# Altium PCB PCB1.PcbDoc (part 1 of 2) (continued)
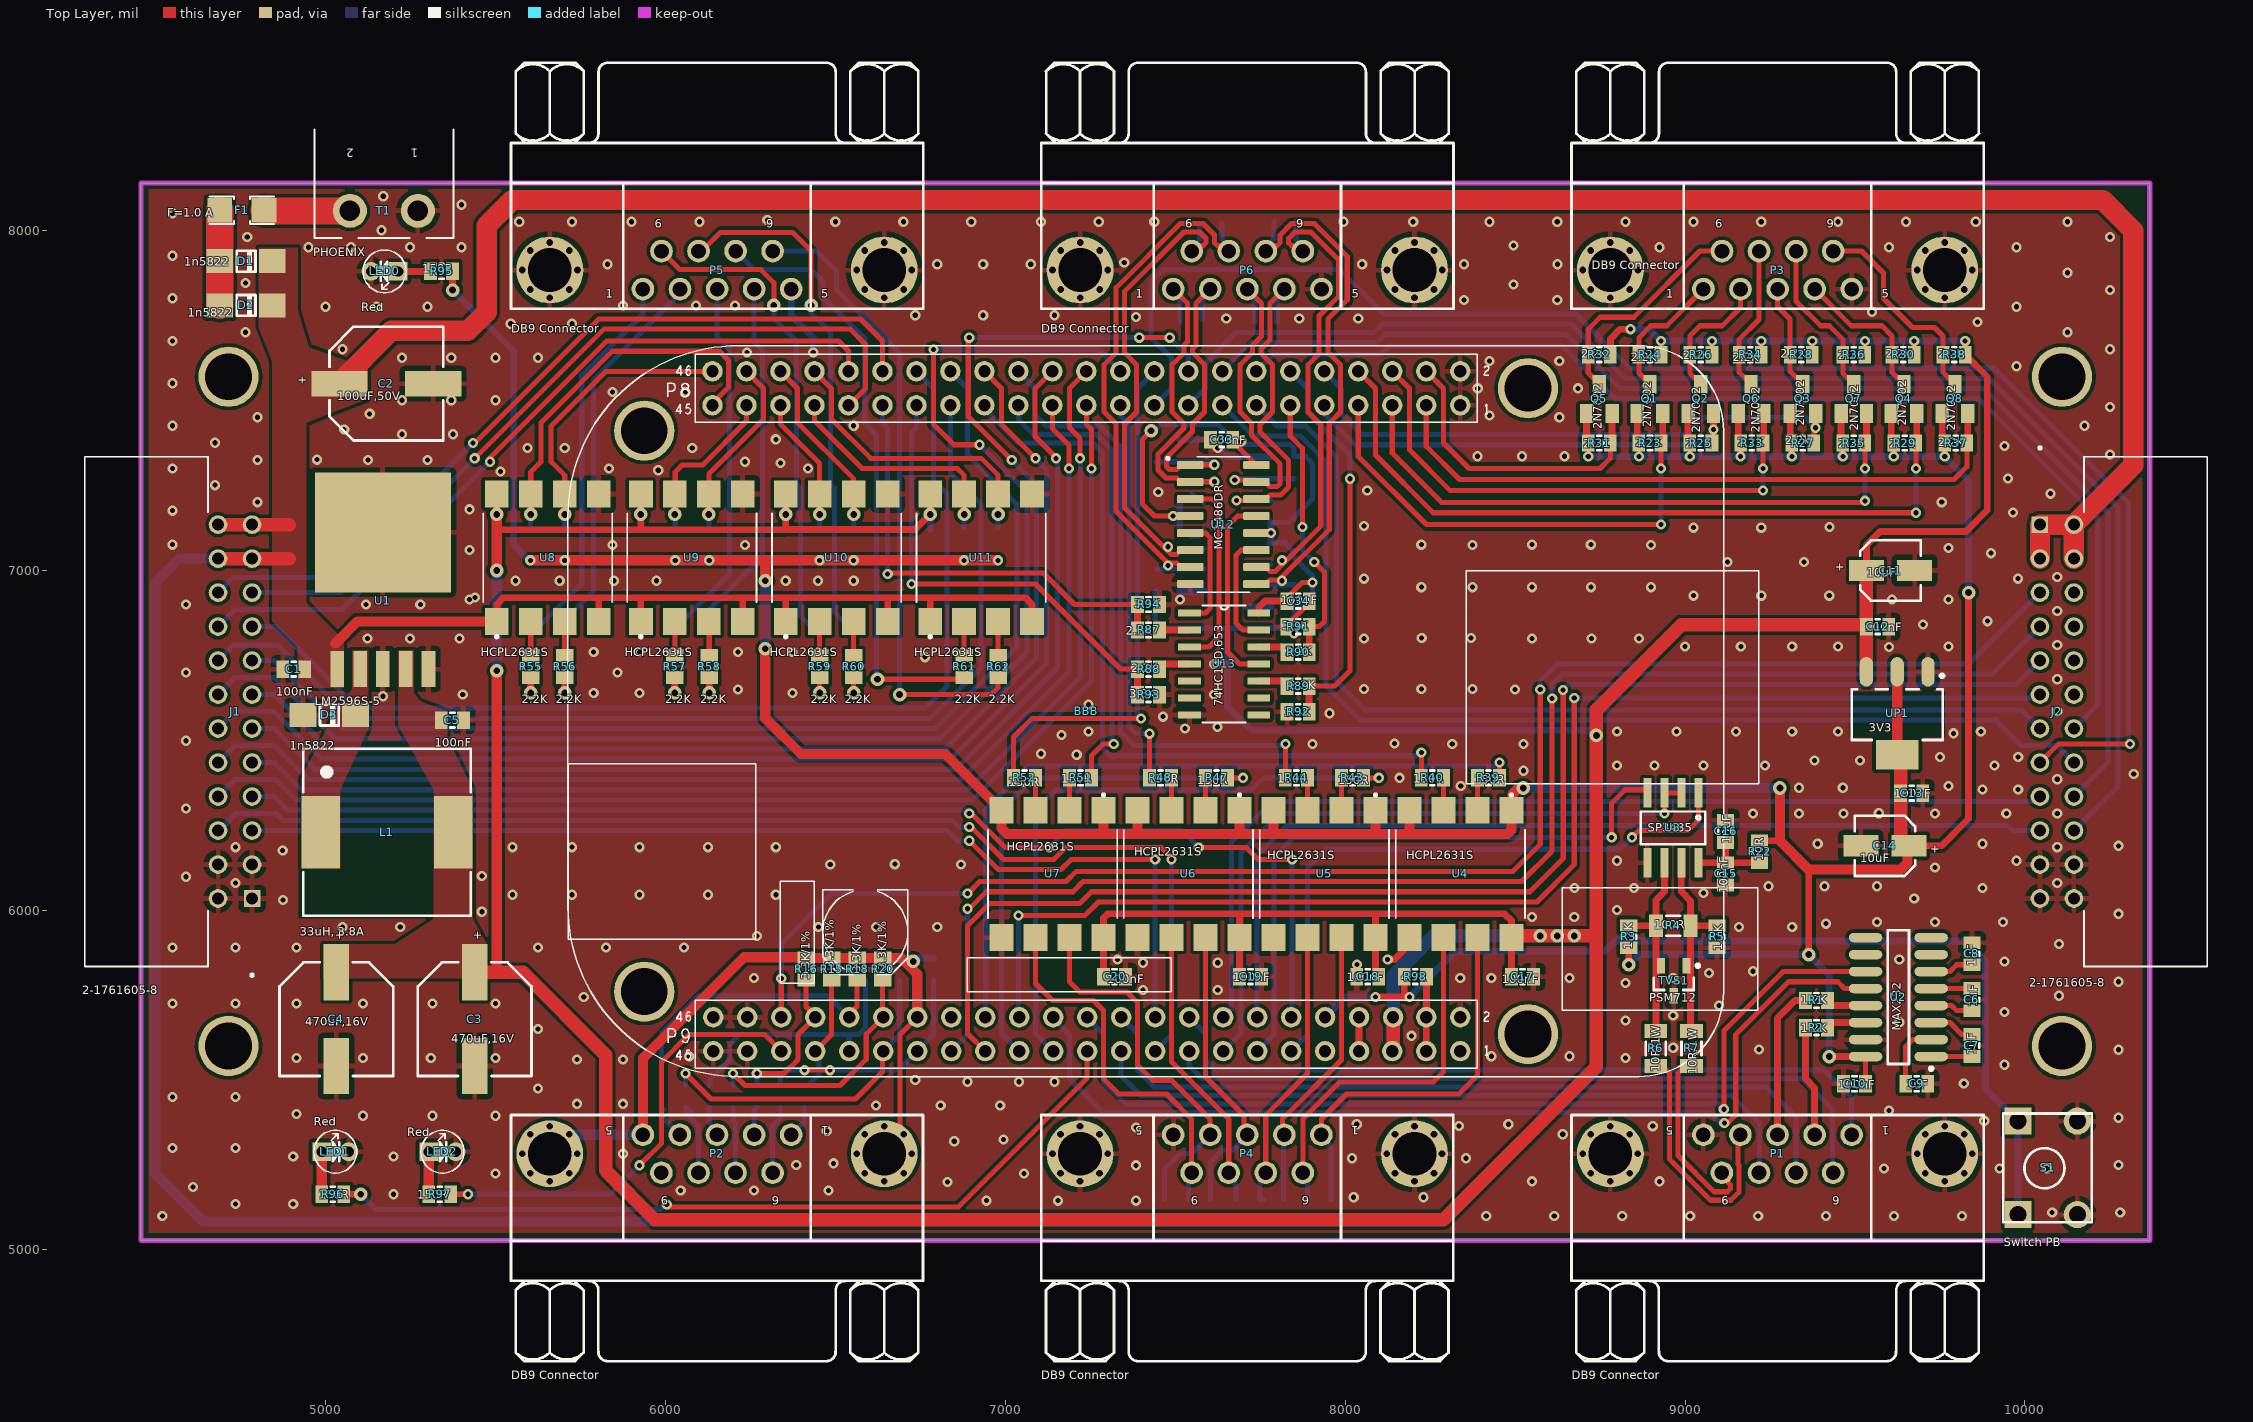
[diagram p0: Top Layer view]
## Footprints (in the part's own frame and the unit in brackets; to place one, negate y for a bottom-side part, rotate by r counter-clockwise, add the part's x,y. Pads: shape width x height; smd on the part's side, far side on the other; paste and mask are expansions set on the pad)
"1206 FUSE" [mm] "Fast Acting Smd 1206 non-Resettable Fuse Chip For Pcb Board-Design:Abbas Basereh"
  rect 1.85x1.85 smd: 1(-1.65,0) 2(1.65,0)
  silkscreen extent -2.41,-1.02 2.41,1.02, body extent -1.6,-0.8 1.6,0.8, height 1
*SO08 [mil]
  rect 24x87 smd: 1(-75,-103) 2(-25,-103) 3(25,-103) 4(75,-103) 5(75,103) 6(25,103) 7(-25,103) 8(-75,103)
  silkscreen extent -95,-48 95,48, body extent -96,-118 97,118, height 67
*SOT23 [mm]
  rect 1x1.4 smd: 1(-0.95,-1.1) 2(0.95,-1.1) 3(0,1.1)
  body extent -1.45,-1.43 1.45,1.17, height 1
*TO170P1435X465-6N [mil]
  rect 40x106 smd: 1(-134,-396) 2(-67,-396) 3(0,-396) 4(67,-396) 5(134,-396)
  rect 400x352 smd: 6(0,6)
  body extent -200,-395 200,170, height 183
BeagleBoneBlack [mil]
  round 60 hole 36: 8_1(747.5,850) 8_2(747.5,950) 8_3(647.5,850) 8_4(647.5,950) 8_5(547.5,850) 8_6(547.5,950) 8_7(447.5,850) 8_8(447.5,950) 8_9(347.5,850) 8_10(347.5,950) 8_11(247.5,850) 8_12(247.5,950) 8_13(147.5,850) 8_14(147.5,950) 8_15(47.5,850) 8_16(47.5,950) 8_17(-52.5,850) 8_18(-52.5,950) 8_19(-152.5,850) 8_20(-152.5,950) 8_21(-252.5,850) 8_22(-252.5,950) 8_23(-352.5,850) 8_24(-352.5,950) 8_25(-452.5,850) 8_26(-452.5,950) 8_27(-552.5,850) 8_28(-552.5,950) 8_29(-652.5,850) 8_30(-652.5,950) 8_31(-752.5,850) 8_32(-752.5,950) 8_33(-852.5,850) 8_34(-852.5,950) 8_35(-952.5,850) 8_36(-952.5,950) 8_37(-1052.5,850) 8_38(-1052.5,950) 8_39(-1152.5,850) 8_40(-1152.5,950) 8_41(-1252.5,850) 8_42(-1252.5,950) 8_43(-1352.5,850) 8_44(-1352.5,950) 8_45(-1452.5,850) 8_46(-1452.5,950) 9_1(747.5,-1050) 9_2(747.5,-950) 9_3(647.5,-1050) 9_4(647.5,-950) 9_5(547.5,-1050) 9_6(550,-950) 9_7(450,-1050) 9_8(450,-950) 9_9(350,-1050) 9_10(350,-950) 9_11(250,-1050) 9_12(250,-950) 9_13(150,-1050) 9_14(150,-950) 9_15(50,-1050) 9_16(50,-950) 9_17(-50,-1050) 9_18(-50,-950) 9_19(-150,-1050) 9_20(-150,-950) 9_21(-250,-1050) 9_22(-250,-950) 9_23(-350,-1050) 9_24(-350,-950) 9_25(-450,-1050) 9_26(-450,-950) 9_27(-550,-1050) 9_28(-550,-950) 9_29(-650,-1050) 9_30(-650,-950) 9_31(-750,-1050) 9_32(-750,-950) 9_33(-850,-1050) 9_34(-850,-950) 9_35(-950,-1050) 9_36(-950,-950) 9_37(-1050,-1050) 9_38(-1050,-950) 9_39(-1150,-1050) 9_40(-1150,-950) 9_41(-1250,-1050) 9_42(-1250,-950) 9_43(-1350,-1050) 9_44(-1350,-950) 9_45(-1450,-1050) 9_46(-1450,-950)
  round 177.17 hole 137.8: H1(947,-1000) H2(947,900) H3(-1653,775) H4(-1653,-875)
  silkscreen extent -1878,-1125 1625,1025, body extent -1502,-1100 800,1000, height 350
"DB9 Female" [mm] "Connector; D Subminiature AMPLIMITE 2000; 9 Position; Right Angle"
  round 1.69 hole 1.09: 1(0,0) 2(2.77,0) 3(5.54,0) 4(8.31,0) 5(11.08,0) 6(1.385,2.84) 7(4.155,2.84) 8(6.925,2.84) 9(9.695,2.84)
  round 0.8 hole 0.5 mask+0.102: 10(-9.015,1.42) 10(-8.412,-0.037) 10(-8.412,2.877) 10(-6.955,-0.64) 10(-6.955,3.48) 10(-5.498,-0.037) 10(-5.498,2.877) 10(-4.895,1.42) 11(15.975,1.42) 11(16.578,-0.037) 11(16.578,2.877) 11(18.035,-0.64) 11(18.035,3.48) 11(19.492,-0.037) 11(19.492,2.877) 11(20.095,1.42)
  round 5 hole 3.26 mask+0.102: 10(-6.955,1.42) 11(18.035,1.42)
  silkscreen extent -9.86,-1.48 20.94,16.92, body extent -9.87,-2.03 20.95,17.04, height 12.71
"Diode 1N4007 SMD" [mm] "DO-214AC 1N4001-4007"
  rect 2x1.8 smd: 1(0,0) 2(3.92,0)
  silkscreen extent 1.27,-0.81 2.67,0.83, body extent -0.54,-1.36 4.46,1.34, height 2.16
LED-3mm [mil]
  rect 55x55 hole 30: 1(-40,0)
  round 55 hole 30: 2(40,0)
  silkscreen extent -63,-63 63,63, body extent -69,-69 69,69, height 154
"MSTB 2,5/2-G-5,08" [mil] "Header, Nominal current: 12 A Rated voltage (III/2): 320 V Number of positions: 2 Pitch: 5.08 mm Color: green Contact surface: Tin Assembly: Soldering DESIGNER:ABBAS BASEREH"
  round 100 hole 60: 1(-100,0) 2(100,0)
  silkscreen extent -205,-240 205,80, body extent -199,-394 201,79, height 340
NSO16_M [mm] "SOIC, 16-Leads, Body 9.9x3.9mm, Pitch 1.27mm, IPC Low Density"
  oval 2.5x0.7 smd: 1(-2.45,4.445) 2(-2.45,3.175) 3(-2.45,1.905) 4(-2.45,0.635) 5(-2.45,-0.635) 6(-2.45,-1.905) 7(-2.45,-3.175) 8(-2.45,-4.445) 9(2.45,-4.445) 10(2.45,-3.175) 11(2.45,-1.905) 12(2.45,-0.635) 13(2.45,0.635) 14(2.45,1.905) 15(2.45,3.175) 16(2.45,4.445)
  silkscreen extent -2.58,-5 0.8,5.47, body extent -3.1,-5.08 3.1,5.08, height 1.73
OPTO_HCPL2631S [mm]
  rect 2x1.78 smd: 1(-4.759,3.81) 2(-4.759,1.27) 3(-4.759,-1.27) 4(-4.759,-3.81) 5(4.759,-3.81) 6(4.759,-1.27) 7(4.759,1.27) 8(4.759,3.81)
  silkscreen extent -6,-4.83 3.3,4.83, body extent -5.15,-4.83 5.15,4.83, height 5.08
"RES 0805 (2012X06L)" [mm] "Chip Resistor, 2-Leads, Body 2.0x1.3mm, IPC High Density _ (0.100 W)"
  rect 0.95x1.3 smd: 1(0,0) 2(1.65,0)
  silkscreen extent 0.67,-0.55 0.97,0.55, body extent -0.19,-0.63 1.84,0.64, height 0.6
"RES 1206 (3216X08L)" [mm] "Chip Resistor, 2-Leads, Body 3.2x1.6mm, IPC High Density _ (0.125 W)"
  rect 1.05x1.7 smd: 1(0,0) 2(2.596,0)
  silkscreen extent 0.8,-0.75 1.8,0.75, body extent -0.23,-0.76 2.82,0.76, height 0.6
SMD_CAP_0805 [mm]
  rect 0.95x1.3 smd: 1(0,0) 2(1.65,0)
  silkscreen extent 0.67,-0.55 0.97,0.55, body extent -0.19,-0.63 1.84,0.63, height 0.65
SOIC127P600X175-14N [mil]
  rect 67x21 smd: 1(-102,150) 2(-102,100) 3(-102,50) 4(-102,0) 5(-102,-50) 6(-102,-100) 7(-102,-150) 8(102,-150) 9(102,-100) 10(102,-50) 11(102,0) 12(102,50) 13(102,100) 14(102,150)
  silkscreen extent -63,-172 63,172, body extent -118,-170 118,170, height 69
SOIC127P600X175-16N [mm]
  rrect25% 1.97x0.6 smd: 1(-2.475,4.445) 2(-2.475,3.175) 3(-2.475,1.905) 4(-2.475,0.635) 5(-2.475,-0.635) 6(-2.475,-1.905) 7(-2.475,-3.175) 8(-2.475,-4.445) 9(2.475,-4.445) 10(2.475,-3.175) 11(2.475,-1.905) 12(2.475,-0.635) 13(2.475,0.635) 14(2.475,1.905) 15(2.475,3.175) 16(2.475,4.445)
  silkscreen extent -4.24,-5.06 1.95,5.06, body extent -3.05,-4.95 2.95,4.95, height 1.75
SOT23_BEC_N [mm] "SOT23, 3-Leads, Body 2.9x1.3mm, Pitch 0.95mm, Lead Span 2.4mm, IPC Medium Density"
  rect 1.15x0.6 smd: 1(-1.125,0.95) 2(-1.125,-0.95) 3(1.125,0)
  silkscreen extent -1.25,-1.5 0.7,1.93, body extent -1.23,-1.45 1.07,1.45, height 1
SOT223 [mm] "SOT223, 4-Leads, Body 6.5x3.5mm, Pitch 2.30mm-Designer Abbas Basereh"
  oval 2.2x1 smd: 1(-3.2,2.3) 2(-3.2,0) 3(-3.2,-2.3)
  rect 2.2x3.2 smd: 4(3,0)
  Top Layer pour cut-out: -1.7,3.556 1.7,3.556 1.7,-3.556 -1.7,-3.556
  silkscreen extent -3.02,-3.4 1.9,3.48, body extent -3.5,-3.25 3.5,3.25, height 1.7
"Switch - Push to On" [mil]
  rect 80x80 hole 50: 1(-137.5,87.5) 1(137.5,87.5)
  round 80 hole 50: 2(-137.5,-87.5) 2(137.5,-87.5)
  silkscreen extent -160,-130 160,130, body extent -155,-121 157,123, height 205
TE_2-1761605-8 [mil]
  rect 48.82x48.82 hole 35.04: 1(0,0)
  round 55 hole 35: 2(0,100) 3(100,0) 4(100,100) 5(200,0) 6(200,100) 7(300,0) 8(300,100) 9(400,0) 10(400,100) 11(500,0) 12(500,100) 13(600,0) 14(600,100) 15(700,0) 16(700,100) 17(800,0) 18(800,100) 19(900,0) 20(900,100) 21(1000,0) 22(1000,100) 23(1100,0) 24(1100,100)
  silkscreen extent -230,-4 1300,493, body extent -125,-12 1225,486, height 369
WCAP-AS5H_4x5.5 [mm] "Aluminum Electrolytic Capacitors, 4x5.5mm"
  rect 2.6x1.6 smd: 1(-1.8,0) 2(1.8,0)
  silkscreen extent -2.25,-2.25 2.25,2.25, body extent -2.5,-2.15 2.5,2.15, height 5.5
WCAP-AS5H_8x10.5 [mm] "Aluminum Electrolytic Capacitors, 8x10.5mm"
  rect 4.2x1.9 smd: 1(-3.5,0) 2(3.5,0)
  silkscreen extent -4.25,-4.25 4.25,4.25, body extent -4.5,-4.15 4.5,4.15, height 10.5
WE-PD_1210 [mm] "SMT Shielded Power Inductor, 2-leads, body 12.5x12.5mm"
  rect 5.4x2.9 smd: 1(0,-4.95) 2(0,4.95)
  silkscreen extent -6.25,-6.25 6.25,6.25, body extent -6,-6 6,6, height 9.46

## Part data
C1 C5 C6 C7 C8 C9 C10 C12 C13 C15 C16 C17 C18 C19 C20 C21 C22 C23 C24 C25 C26 C27 C28 C29 C30 C31 C32 C33 C34: library part Cap-Bipolar, "Bipolar Capacitor", Voltage=100V, Adding Date=1387/12/20, Designer="Saeid Jorablo", Organazation=ControTec
C2 C3 C4: library part 865230653012, "WCAP-AS5H SMT Aluminum Electrolytic Capacitors, D8mm x L10.5mm, 47uF, +/-20%, 50VDC", Capacitance=47uF, Capacitance Tolerance=+/-20%, Leakage Current=23.5uA, Operating Temperature="-40 to +105degC", Rated Voltage=50VDC, Ripple Current max.=95mA, ComponentLink1Description=Manufacturer, ComponentLink1URL=http://www.we-online.de, ComponentLink2Description=Datasheet, ComponentLink2URL=https://katalog.we-online.com/pbs/datasheet/865230653012.pdf, Diameter=8mm, Dissipation Factor=12%, Endurance=5000h, Length=10.5mm, Mounting Technology=SMT, Packaging="Tape and Reel", Part Number=865230653012, Published Date="August 2019", Publisher="Wurth Elektronik", Technical Reference=ASDE105470M050DVCTEE000
C11 C14: library part 865230140001, "WCAP-AS5H SMT Aluminum Electrolytic Capacitors, D4mm x L5.5mm, 22uF, +/-20%, 6.3VDC", Capacitance=22uF, Capacitance Tolerance=+/-20%, Leakage Current=3uA, Operating Temperature="-40 to +105degC", Rated Voltage=6.3VDC, Ripple Current max.=22mA, ComponentLink1Description=Manufacturer, ComponentLink1URL=http://www.we-online.de, ComponentLink2Description=Datasheet, ComponentLink2URL=https://katalog.we-online.com/pbs/datasheet/865230140001.pdf, Diameter=4mm, Dissipation Factor=32%, Endurance=5000h, Length=5.5mm, Mounting Technology=SMT, Packaging="Tape and Reel", Part Number=865230140001, Published Date="August 2019", Publisher="Wurth Elektronik", Technical Reference=ASDB055220M6R3DVCTAE000
D1 D2 D3: library part "1N5822 SMD", "Schottky Rectifiers", Manufacturer="ON Semiconductor/Fairchild", Data=16-12-2016, Designer="Abbas Basereh", Link=https://www.aliexpress.com/item/Free-shipping-100pcs-1n5822-sma-smd-do-214ac-Schottky-diode-ss34/32337482329.html?spm=2114.01010208.3.1.zLZDsP&ws_ab_test=searchweb0_0,searchweb201602_4_10065_10068_10084_10083_10080_10082_10081_10060_10061_10062_10056_10055_10054_10059_10099_10078_10079_427_10073_10103_10102_10096_10052_10050_10051,searchweb201603_4&btsid=6e50dc92-ac69-45bc-a19e-209af19ce602, Part. No=SS34
F1: library part "Fuse SMD1206", "SMD Fuses 1206", Data=16-12-2016, Desc.="SMD Fuses 1206", Designer="Abbas Basereh"
J1 J2: "IDC LOW PRO HDR 64P RA BLUE", Package=None, Availability=Unavailable, MP=2-1761605-8, Price=None
L1: library part 7447709470, "WE-PD SMT Power Inductor, size 1210, 47uH, 3.8A", DC Resistance max.=60mOhm, Inductance=47uH, Operating Temperature="-40 to +125degC", Rated Current=3.8A, Saturation Current=4.5A, Self Resonant Frequency=6.5MHz, ComponentLink1Description=Manufacturer, ComponentLink1URL=http://www.we-online.de, ComponentLink2Description=Datasheet, ComponentLink2URL=https://katalog.we-online.com/pbs/datasheet/7447709470.pdf, Mounting Technology=SMT, Packaging="Tape and Reel", Part Number=7447709470, Published Date="April 2019", Publisher="Wurth Elektronik", Size=1210
LED0 LED1 LED2: library part LED, "LED", Adding Date=1387/12/22, Color=Red, Designer="Saeid Jorablo", Organazation=ControTec
  LED0: Size="SMD 1206"
  LED1 LED2: Size=3mm
P1 P2 P3 P4 P5 P6: "Receptacle Assembly, 9 Position, Right Angle", PackageDocument=O, DatasheetDocument=1-Sep-1999, Gender=Receptacle, LatestRevisionDate=17-Jul-2002, LatestRevisionNote="Re-released for DXP Platform.", Orientation="Right Angle", PackageReference=788750, Positions=9, Published=15-Jun-2001, Publisher="Altium Limited"
Q1 Q2 Q3 Q4 Q5 Q6 Q7 Q8: "Transistor NPN Mos 2N7002 SILICONIX miliampere=100 V=60 SOt23", Package="SOT-23-3 Vishay", Availability=Unavailable, MF=STMicroelectronics, MP=2N7002, Price=None, SnapEDA_Link=https://www.snapeda.com/parts/2N7002/STMicroelectronics/view-part/?ref=snap
R1 R2 R3 R4 R5 R6 R7 R8 R9 R10 R11 R12 R13 R14 R15 R16 R17 R18 R19 R20 R21 R22 R23 R24 R25 R26 R27 R28 R29 R30 R31 R32 R33 R34 R35 R36 R37 R38 R39 R40 R41 R42 R43 R44 R45 R46 R47 R48 R49 R50 R51 R52 R53 R54 R55 R56 R57 R58 R59 R60 R61 R62 R63 R64 R65 R66 R67 R68 R69 R70 R71 R72 R73 R74 R75 R76 R77 R78 R79 R80 R81 R82 R83 R84 R85 R86 R87 R88 R89 R90 R91 R92 R93 R94 R95 R96 R97 R98: library part Resistor, "Resistor", Power="1/8 W", Tolerance=5%
S1: "Push Button Switch"
T1: library part CON_Phoenix_MSTB_02, "2 Pitch: 5.08 mm Color: green Contact surface: Tin Assembly", Manufacturer="PHOENIX CONTACT", Max Current="12 A", Voltage="320 V", Category=Connector, ComponentLink1Description="Header, Nominal current: 12 A Rated voltage (III/2): 320 V Number of positions: 2 Pitch: 5.08 mm Color: green Contact surface: Tin Assembly: Soldering  DESIGNER:ABBAS BASEREH", ComponentLink2Description=Reference, Connector type="PCB Terminal Block", Designer="ABBAS BASEREH", Mounting Technology=Through-Hole, PART.NO=PHOENIX, Pin Count=2, Positions=2, Revision 1=2017-3-1, Status=Unreleased
U1: library part LM2596S-3.3, Package="TO-263-6 HTC Korea", Availability=Unavailable, MF="Texas Instruments", MP=LM2596S-5, Price=None, SnapEDA_Link=https://www.snapeda.com/parts/LM2596S-3.3/Texas%20Instruments/view-part/?ref=snap
U2: "+5V Powered, Multi-Channel RS-232 Driver/Receiver", ComponentAuthor="Saeid Jorablo", ComponentLink1Description=Datasheet, ComponentLink1URL=http://pdfserv.maxim-ic.com/en/ds/MAX220-MAX249.pdf
U3: library part MAX485CPA, "Low-Power, Slew-Rate-Limited RS-485/RS-422 Transceiver", Code_JEDEC=MS-001-AB, ComponentLink1Description="Manufacturer Link", ComponentLink1URL=http://www.maxim-ic.com/, ComponentLink2Description=Datasheet, ComponentLink2URL=http://pdfserv.maxim-ic.com/en/ds/MAX1487-MAX491.pdf, DatasheetVersion=Feb-1996, LatestRevisionDate=06-Jun-2005, LatestRevisionNote="Stylized 3D Model Added.", PackageDescription="DIP; 8 Leads; Row Spacing 7.62 mm; Pitch 2.54 mm", PackageReference=PA8, PackageVersion="RevB, 21-0043", Published=16-Jan-2001, Publisher="Altium Limited"
U4 U5 U6 U7 U8 U9 U10 U11: "Optocoupler, Dual, Logic o/p", Package=None, Availability=Unavailable, MF="ON Semiconductor", MP=HCPL-2631.S, Price=None, SnapEDA_Link=https://www.snapeda.com/parts/HCPL-2631.S/ON%20Semiconductor/view-part/1005859/?ref=snap
U12: Package=None, Availability=Unavailable, MP=MC3486DR, Price=None
U13: "Inverter IC 6 Channel Schmitt Trigger 14-SO", Package="SOIC-14 Nexperia", Availability=Unavailable, DigiKey-Purchase-URL=https://snapeda.com/shop?store=DigiKey&id=1900523, MF="Nexperia USA", MP=74HC14D,653, Price=None, SnapEDA_Link=https://www.snapeda.com/parts/74HC14D,653/Nexperia%20USA%20Inc./view-part/1900523/?ref=snap
UP1: library part AMS1117-x.x, "x.x Volt, 800mA Low-Dropout Linear Regulator, 4-pin SOT-223", Data=16-12-2016, Designer="Ali Hafizi"

## Free pads (board coordinates)
  round 177.17 hole 137.8: 3(4715,7569) 4(4715,5600) 5(10109,5600) 6(10109,7569)

## Via types
v1: diameter 30, hole 15, Top Layer to Bottom Layer, tented both sides, 549 vias
v2: diameter 40, hole 20, Top Layer to Bottom Layer, tented both sides, 40 vias

## Nets (pads, with @x,y where several pads share a name; then routed paths per layer and width w, separated by ;. In a path a pad name is that pad's centre, name@x,y a point inside that pad or via, vN(x,y) a via of type N, cw(c..) or ccw(c..) an arc to the next point about the centre after c; other vN are vias at no path point)
3V3: C10.2 C13.1 C14.2 Q1.1 Q2.1 Q3.1 Q4.1 Q5.1 Q6.1 Q7.1 Q8.1 R3.1 R22.1 R23.1 R25.1 R27.1 R29.1 R31.1 R33.1 R35.1 R37.1 R63.2 R64.2 R65.2 R66.2 R67.2 R68.2 R69.2 R70.2 R95.2 U2.16 U4.1 U4.4 U5.1 U5.4 U6.1 U6.4 U7.1 U7.4 UP1.2 UP1.4 | length 12313.4
  Top Layer w15: C10.2@9531.05,5489 U2.16@9531.05,5569
  Top Layer w20: R95.2@5373.96,7879 R95.2@5373.96,7879 v2(5374,7824) ; Q5.1@8710.38,7460.69 8710.38,7378.84 R31.1@8715.22,7374 ; v2(8834,5839) R3.1@8834,5889.12 ; Q1.1@8859.24,7460.69 8859.24,7378.8 R23.1@8864.04,7374 ; Q2.1@9008.92,7460.69 9008.92,7379.04 R25.1@9013.96,7374 ; Q6.1@9156.56,7460.69 9156.56,7381.4 R33.1@9163.96,7374 9162.83,7372.87 v1(9162.83,7334) ; R22.1@9219,6203.96 9279.04,6203.96 9279,6204 ; Q3.1@9309.16,7460.69 9309.16,7378.8 R27.1@9313.96,7374 R27.1@9313.96,7374 v1(9314,7334) ; v2(9364,5869) 9364,6119 ; v2(9424,5569) U2.16@9531.05,5569 ; Q7.1@9458.96,7460.69 9458.96,7379 R35.1@9463.96,7374 R35.1@9463.96,7374 v1(9464,7334) ; Q4.1@9606.56,7460.69 9606.56,7381.4 R29.1@9613.96,7374 R29.1@9613.96,7374 v1(9614,7334) ; C14.2@9654.75,6189 C14.2@9658.96,6189 9754.28,6189 9834,6268.72 v2(9834,6934) ; Q8.1@9756.56,7460.69 9756.56,7381.4 R37.1@9763.96,7374 9763.82,7373.86 v1(9763.82,7334)
  Top Layer w30: v1(5602.61,7029) v1(5704,7029) v1(6029,7029) v1(6129,7029) v1(6454,7029) v1(6554,7029) v1(6879,7029) v1(6979,7029) ; v2(6294,6769) 6294,6564 6399,6459 6823.72,6459 U7.4@6989,6293.72 6989,6240.92 7005.92,6224 7289,6224 ; v2(6294,6969) 6294,7029 ; U7.1@7289,6293.72 7289,6224 ; U6.4@7389,6293.72 7389,6224 ; U6.1@7689,6293.72 7689,6224 ; U5.4@7789,6293.72 7789,6224 ; U5.1@8089,6293.72 8089,6224 ; U4.4@8189,6293.72 8189,6224 ; v2(8524,6359) 8509,6359 8492.66,6342.66 8492.66,6297.39 U4.1@8489,6293.72 8489,6235.72 8477.28,6224 8189,6224 ; 9279,6204 v2(9279,6359) ; 9279.04,6203.96 9364,6119 9634,6119 9654.75,6139.75 C14.2@9654.75,6189 ; UP1.4@9623.96,6457.03 UP1.2@9623.96,6701.12 ; 7289,6224 7389,6224 ; 7389,6224 7689,6224 ; 7689,6224 7789,6224 ; 7789,6224 8089,6224 ; 8089,6224 8189,6224
  Top Layer w40: UP1.4@9623.96,6457.03 9634,6446.99 9634,6213.96 C14.2@9658.96,6189
  Bottom Layer w20: v2(5374,7824) 5554,7644 5554,7074 5599,7029 v1(5602.61,7029) ; v1(8715.22,7334) v1(8864.04,7334) v1(9014,7334) v1(9162.83,7334) v1(9314,7334) v1(9464,7334) v1(9614,7334) v1(9763.82,7334) 9834,7263.82 v2(9834,6934) ; v2(8834,5839) 8864,5869 v2(9364,5869) 9424,5809 v2(9424,5569)
  Bottom Layer w30: v2(6294,6769) v2(6294,6969) ; v2(8524,6359) v2(9279,6359)
24V: C1.1 C2.2 D1.2 D2.2 J1.21 J1.22 J1.23 J1.24 J2.1 J2.2 J2.3 J2.4 R41.2 R42.2 R45.2 R46.2 R49.2 R50.2 R53.2 R54.2 U1.1 U8.1 U8.4 U9.1 U9.4 U10.1 U10.4 U11.1 U11.4 | length 15431.3
  Top Layer w20: U8.1@5504,6849.28 5504,6899 5524,6919 5804,6919 ; U8.4@5804,6849.28 5804,6919 ; U9.1@5927.83,6849.28 5927.83,6917.83 5929,6919 ; U9.4@6227.83,6849.28 6227.83,6917.83 6229,6919 ; U10.1@6354,6849.28 6354,6919 ; U10.4@6654,6849.28 6654,6919 ; U11.1@6779,6849.28 6779,6919 ; U11.4@7079,6849.28 7079,6899 7059,6919 6779,6919 ; 5804,6919 5929,6919 ; 5929,6919 6229,6919 ; 6229,6919 6354,6919 ; 6354,6919 6654,6919 ; 6654,6919 6779,6919
  Top Layer w30: 5029,6784 5094.28,6849.28 U8.1@5504,6849.28
  Top Layer w40: J1.22@4684,7034 J1.21@4784,7034 4894,7034 ; J1.24@4684,7134 J1.23@4784,7134 4894,7134
  Top Layer w60: C2.2@5041.2,7549 5041.2,7551.2 5194,7704 5419,7704 5474,7759 5474,8014 5549,8089 10229,8089 10319,7999 10319,7309 J2.2@10144,7134 ; J2.3@10044,7034 J2.1@10044,7134 J2.2@10144,7134 ; J2.4@10144,7034 J2.2@10144,7134
  Bottom Layer w20: R53.2@7469,5084 R54.2@7539,5084 R50.2@7679,5084 R46.2@7749,5084 R45.2@7819,5084 R42.2@7889,5084 R41.2@7959,5084
  Bottom Layer w30: J1.22@4684,7034 4569,7034 4499,6964 4499,5224 4639,5084 R53.2@7469,5084
485_N: P1.9 R7.1 | length 550.3
  Top Layer w15: R7.1@9019,5541.8 9005.83,5528.63 8987.79,5528.63 8979,5519.84 8979,5277.63 9085.21,5171.42 9124.34,5171.42 9133.12,5180.21 9133.12,5192.63 9108.31,5217.45 P1.9@9108.31,5227.19
485_P: P1.4 R6.1 | length 739
  Top Layer w15: R6.1@8914,5541.8 8927.17,5528.63 8945.21,5528.63 8954,5519.84 8954,5267.27 9074.85,5146.42 9134.69,5146.42 9158.12,5169.85 9159.07,5170.81 9159.07,5248.22 9156.19,5251.1 9156.19,5332.35 P1.4@9162.83,5339
AI_1: P2.1 R8.2 | length 96.2
  Bottom Layer w15: P2.1@6370,5339 6409,5378 R8.2@6409,5419
AI_2: P2.2 R9.2 | length 83.3
  Bottom Layer w15: P2.2@6260.94,5339 6260.94,5410.94 R9.2@6269,5419
AI_3: P2.3 R10.2 | length 89.5
  Bottom Layer w15: R10.2@6129,5419 6129,5373.55 6151.89,5350.66 P2.3@6151.89,5339
AI_4: P2.4 R11.2 | length 111.1
  Bottom Layer w15: R11.2@5995.25,5412.75 R11.2@5989,5419 5989,5392.83 P2.4@6042.83,5339
AI_5: P2.6 R12.2 | length 201.6
  Bottom Layer w15: P2.6@6315.47,5227.19 6315.47,5365.47 6339,5389 R12.2@6339,5419
AI_6: P2.7 R13.2 | length 194.9
  Bottom Layer w15: R13.2@6199,5419 6199,5379 6206.42,5371.58 P2.7@6206.42,5227.19
AI_7: P2.8 R14.2 | length 227
  Bottom Layer w15: R14.2@6059,5419 R14.2@6061.18,5419 ; R14.2@6074.56,5407.8 6063.35,5419 R14.2@6061.18,5419 ; P2.8@6097.36,5227.19 6097.36,5365.64 6061.18,5401.82 R14.2@6061.18,5419
Analouge_IN0: BBB.9_39 R8.1 R15.2 | length 358.3
  Top Layer w15: BBB.9_39@6441,5585 6489,5633 R15.2@6489,5794
  Bottom Layer w15: R8.1@6409,5483.96 6419.92,5483.96 6451.5,5515.54 6451.5,5574.5 BBB.9_39@6441,5585
Analouge_IN1: BBB.9_40 R9.1 R16.2 | length 439.3
  Top Layer w15: v1(6269,5519) 6349,5519 6390,5560 6390,5634 BBB.9_40@6441,5685 6441,5689.29 6414,5716.29 R16.2@6414,5794
  Bottom Layer w15: R9.1@6269,5483.96 v1(6269,5519)
Analouge_IN2: BBB.9_37 R10.1 R17.2 | length 768.3
  Bottom Layer w15: R10.1@6129,5483.96 6130.52,5485.48 6130.52,5500.52 6189,5559 6189,5604 6219,5634 6544,5634 ; BBB.9_37@6549.61,5593.61 BBB.9_37@6541,5585 6541,5631 6544,5634 ; 6569.31,5634 6569,5634 ; R17.2@6589,5794 6589,5654 6569,5634 ; 6544,5634 6569,5634
Analouge_IN3: BBB.9_38 R11.1 R18.2 | length 897.6
  Top Layer w15: BBB.9_38@6541,5685 6541,5693.29 6564,5716.29 R18.2@6564,5794
  Bottom Layer w15: R11.1@5989,5483.96 5989,5519 5989,5639 6099,5749 6477,5749 BBB.9_38@6541,5685
Analouge_IN4: BBB.9_33 R12.1 R19.2 | length 690.3
  Top Layer w15: v1(6409,5529) v1(6484,5529)
  Bottom Layer w15: R12.1@6339,5483.96 6339,5514 6354,5529 v1(6409,5529) ; v1(6484,5529) 6685,5529 BBB.9_33@6741,5585 6789,5633 R19.2@6789,5794
Analouge_IN5: BBB.9_36 R13.1 R20.2 | length 728
  Top Layer w15: v1(6199,5519) 6234,5484 6514,5484 6590.97,5560.97 6590.97,5634.97 BBB.9_36@6641,5685 6639,5687 R20.2@6639,5794
  Bottom Layer w15: R13.1@6199,5483.96 v1(6199,5519)
Analouge_IN6: BBB.9_35 R14.1 R21.2 | length 970
  Top Layer w15: v1(6059,5519) 6134,5444 6559,5444 6639,5524 6639,5583 BBB.9_35@6641,5585
  Bottom Layer w15: R14.1@6059,5483.96 v1(6059,5519) ; BBB.9_35@6641,5585 6689,5633 R21.2@6689,5794
DGND: BBB.8_1 BBB.8_2 BBB.9_1 BBB.9_2 BBB.9_43 BBB.9_44 BBB.9_45 BBB.9_46 C1.2 C2.1 C3.1 C4.1 C5.2 C8.2 C9.2 C10.1 C11.1 C12.2 C13.2 C14.1 C15.1 C16.1 C17.1 C18.1 C19.1 C20.1 C21.1 C22.1 C23.1 C24.1 C25.2 C26.1 C27.2 C28.1 C29.1 C30.2 C31.1 C32.2 C33.1 C34.1 D3.1 J1.1 J1.2 J1.3 J1.4 J2.21 J2.22 J2.23 J2.24 LED0.2 LED1.2 LED2.2 P1.5 P1.10 P1.11 P3.5 P3.10 P3.11 P4.5 P4.10 P4.11 P5.5 P5.10 P5.11 P6.5 P6.10 P6.11 R5.2 R75.1 R80.1 R83.1 R86.1 R91.2 R92.2 R93.2 R94.2 S1.2 T1.1 TVS1.3 U1.3 U1.5 U1.6 U2.15 U3.5 U4.5 U5.5 U6.5 U7.5 U8.5 U9.5 U10.5 U11.5 U12.8 U13.7 UP1.1 | length 974.8
  Top Layer w15: R91.2@7829.04,6834 7829.04,6838.08 7894,6903.04 C34.1@7894,6909 C34.1@7884,6899
  Top Layer w20: v1(8125,5854.59) 8145.41,5854.59 8189,5898.18 U4.5@8189,5919
  Bottom Layer w10: 7545.32,7096.14 7550.64,7096.14 7552.2,7097.7 7572.7,7097.7 7585,7110 7584,7111 C27.2@7584,7128.96 ; 7546.52,7226.02 7551.48,7226.02 7583.46,7194.04 C26.1@7584,7194.04
  Bottom Layer w20: P5.5@6370.22,7827 6370.22,7749.78 6435,7685 v1(6435,7640) ; R80.1@7513.5,6939 C28.1@7584,6939.04 C28.1@7584,6939.04 ; R75.1@7514,7383.96 C25.2@7584,7383.96 7607.62,7383.96 7657.62,7333.96 C32.2@7709,7333.96 7777.9,7333.96 R86.1@7778.86,7333 ; C29.1@7711.63,6892.05 R83.1@7781.63,6892.05
  other v1: 4520,5100 8415,5100 8615,5100 8815,5100 9015,5100 9215,5100 9415,5100 9615,5100 9815,5100 10080,5110 10280,5110 4735,5135 4905,5135 6945,5145 7155,5145 7385,5145 8025,5155 8230,5155 5200,5164 6045,5175 6261.17,5175 6480,5175 4610,5185 6830,5200 8550,5201.99 8925,5201.99 5500,5225 7055,5225 9585,5240 9925,5240 10065,5240 7385,5249 6385,5250 10275,5250 6495,5255 8020,5270 8355,5270 4905,5275 5200,5275 5875,5283.09 4550,5300 4735,5300 6850,5320 6995,5325 8640,5340.44 6475,5350 7385,5360 8905,5364.2 8335,5365 8034.04,5370 8480,5370 9880,5380 10275,5389 5110,5395 5315,5395 5500,5395 4915,5400 9600,5410 6620,5425 6810,5425 6985,5425 5740,5430 5875,5430 4550,5450 4735,5450 5625,5475 9820,5490 6889,5495 7040,5495 7145,5495 6735,5500 9940,5545 5740,5560 5875,5560 4915,5565 5110,5565 5310,5565 5500,5565 8825,5565 6070,5569 8430,5570 8660,5570 10275,5589 9217.58,5590 8965,5595 8195,5630 5625,5650 9630,5670 8825,5675 8965,5690 9940,5700 9100,5719 4550,5725 4735,5725 4915,5725 5110,5725 5315,5725 5500,5725 5760,5744 10100,5748.06 7405,5765 7625,5765 8825,5785 10275,5789 6261.17,5800 8338.5,5800 8430,5800 8660,5800 8965,5800 9070,5815 9200,5820 8035,5840 7405,5845 7625,5845 9940,5849 7330,5855 9630,5855 4550,5890 4735,5890 4915,5890 5625,5890 5825,5890 6055,5890 10100,5900 6270,5924 5050,5950 5220,5950 6450,5950 6620,5950 6800,5950 9159,5950 9315,5950 9415,5960 9565,5965 9735,5965 9935,5965 8550,5980 8674,5980 10275,5989 5460,5995 8800,6000 4875,6030 9673.96,6034 5550,6045 5725,6045 5924,6045 6125,6045 6325,6045 9053.78,6050 8675,6065 8850,6065 9875,6065 9245,6070 9410,6070 9565,6070 4735,6080 10095,6080 4590,6098 5460,6100 9735,6125 6485,6134 6870,6134 6675,6135 8800,6145 9975,6145 4874.04,6175 4735,6185 5550,6185 5725,6185 5924,6185 6125,6185 6325,6185 10095,6185 10275,6189 9390,6195 9875,6195 9200,6284 9335,6284 9466.09,6284 9735,6284 9945,6284 10095,6284 9570,6285 4590,6299 9875,6355 9980,6355 9335,6360 9464,6360 8340,6365 9775,6365 10095,6385 8160,6389 10320,6400 8525,6410 8800,6425 8910,6425 9053.78,6425 9235,6425 9910,6425 9380.94,6440 9515,6440 9750,6450 9980,6450 7210,6457.03 7105,6460 7904,6489 8315,6489 8525,6489 8145,6490 4590,6498 7165,6515 9790,6520 7245,6525 8800,6525 8975,6525 9150,6525 9315,6525 9450,6525 9870,6525 7529,6534 7624,6539 7464,6569 7954,6579 10095,6585 7245,6605 5169,6629 5404,6634 7614,6634 5789,6639 5924,6639 6374,6639 6214,6649 8500,6649 8055,6650 8224.04,6650 8375,6650 10095,6679 4590,6699 5859,6699 7614,6724 6764,6744 5789,6759 5924,6759 6214,6759 6374,6759 9600,6774 9000,6775 9163.96,6775 9315,6775 9450,6775 9775,6775 10095,6780 5124,6799 5249,6799 5394,6799 8055,6799 8550,6799 8725,6799 8864.04,6799 8225,6800 8370,6800 7849,6814 9700,6840 9890,6850 10095,6880 4590,6899 5119,6899 5279,6899 5424,6914 7514,6914 9609,6914 9775,6914 5440,6920 9025,6925 9224,6925 9424,6925 8224,6950 8375,6950 8550,6950 8722.83,6950 8900,6950 5559,6969 5689,6969 5849,6969 5974,6969 6354,6969 6449,6969 6554,6969 8055,6975 9979,6975 10095,6980 9125,7024 9350,7024 9900,7050 5424,7059 9775,7065 5844,7074 6234,7074 8375,7074 8900,7074 4550,7075 8224,7075 8550,7075 8722.61,7075 9025,7125 9223.96,7125 9425,7126.72 8055,7130 9965,7170 4550,7175 5424,7179 4800,7200 9755,7200 10075,7225 7450,7230 8065,7234 4675,7250 9950,7270 5515,7290 5979,7294 4550,7299 5834,7299 6420,7299 6338.5,7315 6234,7319 4800,7324 5125,7324 5300,7324 4975,7325 8389,7335 8520,7335 8645,7335 10250,7340 5594,7359 5704,7359 6079,7359 7625,7360 9940,7365 4675,7375 6325,7385 5225,7400 5375,7400 5055,7414 4550,7425 6554,7425 10175,7425 4800,7450 8630,7450 8425,7455 5130,7460 10250,7480 5225,7500 5370,7500 5500,7500 5844,7524 6059,7524 8390,7535 8685,7535 4550,7550 9975,7600 8425,7615 8630,7615 5225,7625 5370,7625 5500,7625 5625,7625 6240,7640 5050,7650 10250,7650 4550,7674 4765,7700 10125,7700 5545,7725 5725,7725 9860,7730 7650,7740 7865,7740 8038.5,7740 7385,7745 6735,7750 6935,7750 7145,7750 9550,7760 5000,7775 5150,7775 5300,7775 9975,7775 5875,7779 6090,7779 6205,7779 8350,7795 8624,7795 4550,7800 10250,7824 8495,7840 4765,7845 10125,7875 5830,7900 6800,7900 6935,7900 7075,7900 8050,7900 8350,7900 8625,7900 7350,7905 4550,7925 4950,7950 5075,7950 5249,7950 5400,7950 8925,7950 9600,7950 9975,7950 8495,7955 4770,7980 10250,7980 5165,8000 5570,8025 5725,8025 5900,8025 6100,8025 6500,8025 6700,8025 6900,8025 7105,8025 7275,8025 7438.5,8025 7995,8025 8200,8025 8425,8025 8624,8025 8825,8025 9025,8025 9223.96,8025 9450,8025 9650,8025 9855,8025 10125,8025 6300,8030 4550,8050 5400,8075 5170,8100
Direction_1: P3.6 Q5.3 R32.2 | length 663.6
  Top Layer w15: Q5.3@8747.78,7547.31 8715.22,7579.87 R32.2@8715.22,7634 8715.22,7708.84 8750.38,7744 8849,7744 9043.81,7938.81 P3.6@9108.53,7938.81
Direction_2: P3.7 Q6.3 R34.2 | length 430.3
  Top Layer w15: Q6.3@9193.96,7547.31 9159,7582.27 R34.2@9159,7634 9159,7679 9217.58,7737.58 P3.7@9217.58,7938.81
Direction_3: P3.8 Q7.3 R36.2 | length 476.5
  Top Layer w15: P3.8@9326.64,7938.81 9326.64,7791.36 9399,7719 9424,7719 9464,7679 R36.2@9464,7634 9464,7579.67 Q7.3@9496.36,7547.31
Direction_4: P3.9 Q8.3 R38.2 | length 626.9
  Top Layer w15: P3.9@9435.69,7938.81 9519.19,7938.81 9584,7874 9584,7799 9669,7714 9734,7714 9759,7689 R38.2@9759,7634 9759,7582.27 Q8.3@9793.96,7547.31
ECAP_PWM0: BBB.9_42 J2.5 | length 4628.1
  Top Layer w15: BBB.9_42@6341,5685 v1(6341,5799) ; v1(6889,6049) 6889.96,6049 6924.96,6084 7179,6084 7209,6114 8494,6114 8574,6194 v1(8574,6649)
  Bottom Layer w15: v1(6341,5799) 6341,5901 6489,6049 v1(6889,6049) ; v1(8574,6649) 8574,6674 8624,6724 9834,6724 J2.5@10044,6934
ECAP_PWM2: BBB.9_28 J2.11 | length 3857.4
  Top Layer w15: v1(7039,5984) 7234,5984 7274,6024 8564,6024 8674,6134 v1(8674,6624)
  Bottom Layer w15: v1(7039,5984) 7039,5688 7038.5,5687.5 BBB.9_28@7041,5685 ; v1@8679,6624 J2.11@10049,6624
ENC1_A: U12.5 U13.1 | length 338.5
  Top Layer w15: U13.1@7542,6874 7589,6874 7602.83,6887.83 7602.83,7095.17 7589,7109 U12.5@7544,7109